# KiCad board 75he.kicad_pcb (continued)
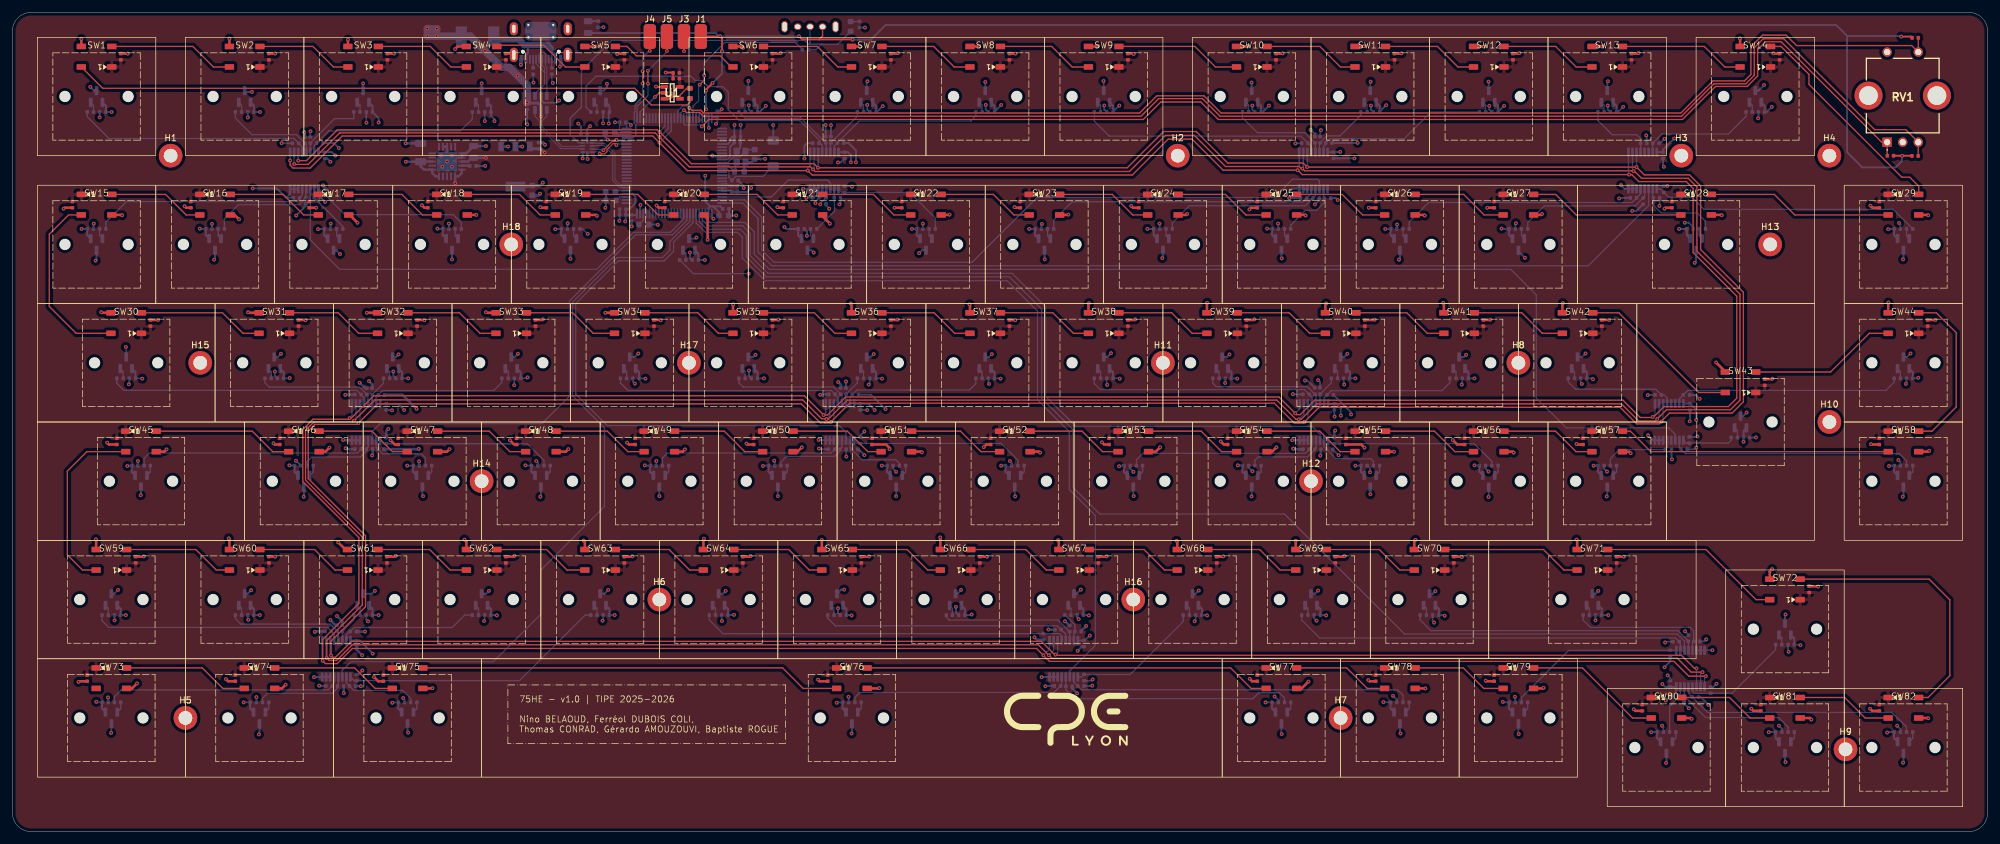
[diagram p0: board, top side]
## Placement (name value [footprint] x y rotation side) (continued)
K12  DRV5055A3xDBZxQ1  [SOT-23]  237.36 118.3 90 bottom
K13  DRV5055A3xDBZxQ1  [SOT-23]  256.41 118.3 90 bottom
K14  DRV5055A3xDBZxQ1  [SOT-23]  280.23 118.3 90 bottom
K15  DRV5055A3xDBZxQ1  [SOT-23]  13.53 94.49 270 bottom
K16  DRV5055A3xDBZxQ1  [SOT-23]  32.58 94.49 270 bottom
K17  DRV5055A3xDBZxQ1  [SOT-23]  51.62 94.49 270 bottom
K18  DRV5055A3xDBZxQ1  [SOT-23]  70.67 94.49 270 bottom
K19  DRV5055A3xDBZxQ1  [SOT-23]  89.72 94.49 270 bottom
K20  DRV5055A3xDBZxQ1  [SOT-23]  108.77 94.49 90 bottom
K21  DRV5055A3xDBZxQ1  [SOT-23]  127.83 94.49 270 bottom
K22  DRV5055A3xDBZxQ1  [SOT-23]  146.88 94.49 270 bottom
K23  DRV5055A3xDBZxQ1  [SOT-23]  165.93 94.49 270 bottom
K24  DRV5055A3xDBZxQ1  [SOT-23]  184.98 94.49 270 bottom
K25  DRV5055A3xDBZxQ1  [SOT-23]  204.03 94.49 270 bottom
K26  DRV5055A3xDBZxQ1  [SOT-23]  223.08 94.49 270 bottom
K27  DRV5055A3xDBZxQ1  [SOT-23]  242.12 94.49 270 bottom
K28  DRV5055A3xDBZxQ1  [SOT-23]  270.7 94.49 270 bottom
K29  DRV5055A3xDBZxQ1  [SOT-23]  304.04 94.49 270 bottom
K30  DRV5055A3xDBZxQ1  [SOT-23]  18.29 75.44 90 bottom
K31  DRV5055A3xDBZxQ1  [SOT-23]  42.1 75.44 90 bottom
K32  DRV5055A3xDBZxQ1  [SOT-23]  61.15 75.44 90 bottom
K33  DRV5055A3xDBZxQ1  [SOT-23]  80.2 75.44 90 bottom
K34  DRV5055A3xDBZxQ1  [SOT-23]  99.25 75.44 90 bottom
K35  DRV5055A3xDBZxQ1  [SOT-23]  118.3 75.44 90 bottom
K36  DRV5055A3xDBZxQ1  [SOT-23]  137.35 75.44 90 bottom
K37  DRV5055A3xDBZxQ1  [SOT-23]  156.4 75.44 90 bottom
K38  DRV5055A3xDBZxQ1  [SOT-23]  175.45 75.44 90 bottom
K39  DRV5055A3xDBZxQ1  [SOT-23]  194.5 75.44 90 bottom
K40  DRV5055A3xDBZxQ1  [SOT-23]  213.55 75.44 90 bottom
K41  DRV5055A3xDBZxQ1  [SOT-23]  232.6 75.44 90 bottom
K42  DRV5055A3xDBZxQ1  [SOT-23]  251.65 75.44 90 bottom
K43  DRV5055A3xDBZxQ1  [SOT-23]  277.84 65.91 90 bottom
K44  DRV5055A3xDBZxQ1  [SOT-23]  304.04 75.44 90 bottom
K45  DRV5055A3xDBZxQ1  [SOT-23]  20.67 56.39 270 bottom
K46  DRV5055A3xDBZxQ1  [SOT-23]  46.86 56.39 270 bottom
K47  DRV5055A3xDBZxQ1  [SOT-23]  65.91 56.39 270 bottom
K48  DRV5055A3xDBZxQ1  [SOT-23]  84.96 56.39 270 bottom
K49  DRV5055A3xDBZxQ1  [SOT-23]  104.01 56.39 270 bottom
K50  DRV5055A3xDBZxQ1  [SOT-23]  123.06 56.39 270 bottom
K51  DRV5055A3xDBZxQ1  [SOT-23]  142.11 56.39 270 bottom
K52  DRV5055A3xDBZxQ1  [SOT-23]  161.16 56.39 270 bottom
K53  DRV5055A3xDBZxQ1  [SOT-23]  180.21 56.39 270 bottom
K54  DRV5055A3xDBZxQ1  [SOT-23]  199.26 56.39 270 bottom
K55  DRV5055A3xDBZxQ1  [SOT-23]  218.31 56.39 270 bottom
K56  DRV5055A3xDBZxQ1  [SOT-23]  237.36 56.39 270 bottom
K57  DRV5055A3xDBZxQ1  [SOT-23]  256.41 56.39 270 bottom
K58  DRV5055A3xDBZxQ1  [SOT-23]  304.04 56.39 270 bottom
K59  DRV5055A3xDBZxQ1  [SOT-23]  15.91 37.34 90 bottom
K60  DRV5055A3xDBZxQ1  [SOT-23]  37.34 37.34 90 bottom
K61  DRV5055A3xDBZxQ1  [SOT-23]  56.39 37.34 90 bottom
K62  DRV5055A3xDBZxQ1  [SOT-23]  75.44 37.34 90 bottom
K63  DRV5055A3xDBZxQ1  [SOT-23]  94.49 37.34 90 bottom
K64  DRV5055A3xDBZxQ1  [SOT-23]  113.54 37.34 90 bottom
K65  DRV5055A3xDBZxQ1  [SOT-23]  132.59 37.34 90 bottom
K66  DRV5055A3xDBZxQ1  [SOT-23]  151.64 37.34 90 bottom
K67  DRV5055A3xDBZxQ1  [SOT-23]  170.69 37.34 90 bottom
K68  DRV5055A3xDBZxQ1  [SOT-23]  189.74 37.34 90 bottom
K69  DRV5055A3xDBZxQ1  [SOT-23]  208.79 37.34 90 bottom
K70  DRV5055A3xDBZxQ1  [SOT-23]  227.84 37.34 90 bottom
K71  DRV5055A3xDBZxQ1  [SOT-23]  254.03 37.34 90 bottom
K72  DRV5055A3xDBZxQ1  [SOT-23]  284.99 32.57 90 bottom
K73  DRV5055A3xDBZxQ1  [SOT-23]  15.91 18.29 270 bottom
K74  DRV5055A3xDBZxQ1  [SOT-23]  39.72 18.29 270 bottom
K75  DRV5055A3xDBZxQ1  [SOT-23]  63.53 18.29 270 bottom
K76  DRV5055A3xDBZxQ1  [SOT-23]  134.97 18.29 270 bottom
K77  DRV5055A3xDBZxQ1  [SOT-23]  204.03 18.29 270 bottom
K78  DRV5055A3xDBZxQ1  [SOT-23]  223.08 18.29 270 bottom
K79  DRV5055A3xDBZxQ1  [SOT-23]  242.12 18.29 270 bottom
K80  DRV5055A3xDBZxQ1  [SOT-23]  265.94 13.52 270 bottom
K81  DRV5055A3xDBZxQ1  [SOT-23]  284.99 13.52 270 bottom
K82  DRV5055A3xDBZxQ1  [SOT-23]  304.04 13.52 270 bottom
LED1  Red  [D_0603]  134.77 129.57 270 bottom
LED2  Green  [D_0805]  92.56 129.46 270 bottom
M1  SN74LV4051APWR  [SOP65P640X120-16N]  130.53 106.39 90 bottom
M2  SN74LV4051APWR  [SOP65P640X120-16N]  209.17 106.39 90 bottom
M3  SN74LV4051APWR  [SOP65P640X120-16N]  262.1 106.39 90 bottom
M4  SN74LV4051APWR  [SOP65P640X120-16N]  266.37 65.91 90 bottom
M5  SN74LV4051APWR  [SOP65P640X120-16N]  209.26 65.91 90 bottom
M6  SN74LV4051APWR  [SOP65P640X120-16N]  269.8 26.23 270 bottom
M7  SN74LV4051APWR  [SOP65P640X120-16N]  169.03 27.81 90 bottom
M8  SN74LV4051APWR  [SOP65P640X120-16N]  133.04 65.91 90 bottom
M9  SN74LV4051APWR  [SOP65P640X120-16N]  52.06 27.81 90 bottom
M10  SN74LV4051APWR  [SOP65P640X120-16N]  56.86 65.91 90 bottom
M11  SN74LV4051APWR  [SOP65P640X120-16N]  46.92 106.39 90 bottom
R1  10kΩ  [R_0402]  127.5 125.86 180 bottom
R2  1kΩ  [R_0402]  136.2 129.89 270 bottom
R3  10kΩ  [R_0402]  305.93 127.74 0 top
R4  3kΩ  [R_0603]  96.25 101.56 0 bottom
R5  10kΩ  [R_0402]  301.94 108.76 180 top
R6  10kΩ  [R_0402]  305.91 108.73 0 top
R7  5.1kΩ  [R_0402]  86.72 122.39 90 bottom
R8  5.1kΩ  [R_0402]  83.72 122.39 90 bottom
R9  680Ω  [R_0402]  12.53 115.8 180 bottom
R10  680Ω  [R_0402]  36.34 115.8 180 bottom
R11  680Ω  [R_0402]  55.39 115.8 180 bottom
R12  680Ω  [R_0402]  74.44 115.8 180 bottom
R13  680Ω  [R_0402]  93.49 115.8 180 bottom
R14  680Ω  [R_0402]  117.3 115.8 180 bottom
R15  680Ω  [R_0402]  136.35 115.8 180 bottom
R16  680Ω  [R_0402]  155.4 115.8 180 bottom
R17  680Ω  [R_0402]  174.45 115.8 180 bottom
R18  680Ω  [R_0402]  198.26 115.8 180 bottom
R19  680Ω  [R_0402]  217.31 115.8 180 bottom
R20  680Ω  [R_0402]  236.36 115.8 180 bottom
R21  680Ω  [R_0402]  255.41 115.8 180 bottom
R22  680Ω  [R_0402]  279.23 115.8 180 bottom
R23  680Ω  [R_0402]  14.53 96.99 0 bottom
R24  680Ω  [R_0402]  33.58 96.99 0 bottom
R25  680Ω  [R_0402]  52.62 96.99 0 bottom
R26  680Ω  [R_0402]  71.67 96.99 0 bottom
R27  680Ω  [R_0402]  90.72 96.99 0 bottom
R28  680Ω  [R_0402]  107.77 91.99 180 bottom
R29  680Ω  [R_0402]  128.83 96.99 0 bottom
R30  680Ω  [R_0402]  147.88 96.99 0 bottom
R31  680Ω  [R_0402]  166.93 96.99 0 bottom
R32  680Ω  [R_0402]  185.98 96.99 0 bottom
R33  680Ω  [R_0402]  205.03 96.99 0 bottom
R34  680Ω  [R_0402]  224.08 96.99 0 bottom
R35  680Ω  [R_0402]  243.12 96.99 0 bottom
R36  680Ω  [R_0402]  271.7 96.99 0 bottom
R37  680Ω  [R_0402]  305.04 96.99 0 bottom
R38  680Ω  [R_0402]  17.29 72.94 180 bottom
R39  680Ω  [R_0402]  41.1 72.94 180 bottom
R40  680Ω  [R_0402]  60.15 72.94 180 bottom
R41  680Ω  [R_0402]  79.2 72.94 180 bottom
R42  680Ω  [R_0402]  98.25 72.94 180 bottom
R43  680Ω  [R_0402]  117.3 72.94 180 bottom
R44  680Ω  [R_0402]  136.35 72.94 180 bottom
R45  680Ω  [R_0402]  155.4 72.94 180 bottom
R46  680Ω  [R_0402]  174.45 72.94 180 bottom
R47  680Ω  [R_0402]  193.5 72.94 180 bottom
R48  680Ω  [R_0402]  212.55 72.94 180 bottom
R49  680Ω  [R_0402]  231.6 72.94 180 bottom
R50  680Ω  [R_0402]  250.65 72.94 180 bottom
R51  680Ω  [R_0402]  276.84 63.41 180 bottom
R52  680Ω  [R_0402]  303.04 72.94 180 bottom
R53  680Ω  [R_0402]  21.67 58.89 180 bottom
R54  680Ω  [R_0402]  47.86 58.89 180 bottom
R55  680Ω  [R_0402]  66.91 58.89 180 bottom
R56  680Ω  [R_0402]  85.96 58.89 180 bottom
R57  680Ω  [R_0402]  105.01 58.89 180 bottom
R58  680Ω  [R_0402]  124.06 58.89 180 bottom
R59  680Ω  [R_0402]  143.11 58.89 180 bottom
R60  680Ω  [R_0402]  162.16 58.89 180 bottom
R61  680Ω  [R_0402]  181.21 58.89 180 bottom
R62  680Ω  [R_0402]  200.26 58.89 180 bottom
R63  680Ω  [R_0402]  219.31 58.89 180 bottom
R64  680Ω  [R_0402]  238.36 58.89 180 bottom
R65  680Ω  [R_0402]  257.41 58.89 180 bottom
R66  680Ω  [R_0402]  305.04 58.89 180 bottom
R67  680Ω  [R_0402]  14.91 34.84 180 bottom
R68  680Ω  [R_0402]  36.34 34.84 180 bottom
R69  680Ω  [R_0402]  55.39 34.84 180 bottom
R70  680Ω  [R_0402]  74.44 34.84 180 bottom
R71  680Ω  [R_0402]  93.49 34.84 180 bottom
R72  680Ω  [R_0402]  112.54 34.84 180 bottom
R73  680Ω  [R_0402]  131.59 34.84 180 bottom
R74  680Ω  [R_0402]  150.64 34.84 180 bottom
R75  680Ω  [R_0402]  169.69 34.84 180 bottom
R76  680Ω  [R_0402]  188.74 34.84 180 bottom
R77  680Ω  [R_0402]  207.79 34.84 180 bottom
R78  680Ω  [R_0402]  226.84 34.84 180 bottom
R79  680Ω  [R_0402]  253.03 34.84 180 bottom
R80  680Ω  [R_0402]  283.99 30.07 180 bottom
R81  680Ω  [R_0402]  16.91 20.79 180 bottom
R82  680Ω  [R_0402]  40.72 20.79 180 bottom
R83  680Ω  [R_0402]  64.53 20.79 180 bottom
R84  680Ω  [R_0402]  135.97 20.79 180 bottom
R85  680Ω  [R_0402]  205.03 20.79 180 bottom
R86  680Ω  [R_0402]  224.08 20.79 180 bottom
R87  680Ω  [R_0402]  243.12 20.79 180 bottom
R88  680Ω  [R_0402]  266.94 16.02 180 bottom
R89  680Ω  [R_0402]  285.99 16.02 180 bottom
R90  680Ω  [R_0402]  305.04 16.02 180 bottom
R91  1kΩ  [R_0402]  94.17 129.94 270 bottom
R92  330Ω  [R_0603]  108.92 118.79 270 top
RV1  -  [EC11E15244B2]  301.42 110.94 0 top
SW1  ESC  [Switch_1U]  13.53 118.3 0 top
SW2  F1  [Switch_1U]  37.34 118.3 0 top
SW3  F2  [Switch_1U]  56.39 118.3 0 top
SW4  F3  [Switch_1U]  75.44 118.3 0 top
SW5  F4  [Switch_1U]  94.49 118.3 0 top
SW6  F5  [Switch_1U]  118.3 118.3 0 top
SW7  F6  [Switch_1U]  137.35 118.3 0 top
SW8  F7  [Switch_1U]  156.4 118.3 0 top
SW9  F8  [Switch_1U]  175.45 118.3 0 top
SW10  F9  [Switch_1U]  199.26 118.3 0 top
SW11  F10  [Switch_1U]  218.31 118.3 0 top
SW12  F11  [Switch_1U]  237.36 118.3 0 top
SW13  F12  [Switch_1U]  256.41 118.3 0 top
SW14  DEL  [Switch_1U]  280.23 118.3 0 top
SW15  ²  [Switch_1U]  13.53 94.49 0 top
SW16  1  [Switch_1U]  32.58 94.49 0 top
SW17  2  [Switch_1U]  51.62 94.49 0 top
SW18  3  [Switch_1U]  70.67 94.49 0 top
SW19  4  [Switch_1U]  89.72 94.49 0 top
SW20  5  [Switch_1U]  108.77 94.49 0 top
SW21  6  [Switch_1U]  127.83 94.49 0 top
SW22  7  [Switch_1U]  146.88 94.49 0 top
SW23  8  [Switch_1U]  165.93 94.49 0 top
SW24  9  [Switch_1U]  184.98 94.49 0 top
SW25  0  [Switch_1U]  204.03 94.49 0 top
SW26  °  [Switch_1U]  223.08 94.49 0 top
SW27  +  [Switch_1U]  242.12 94.49 0 top
SW28  BACKSPACE  [Switch_2U]  270.7 94.49 0 top
SW29  PG-UP  [Switch_1U]  304.04 94.49 0 top
SW30  TAB  [Switch_1.5U]  18.29 75.44 0 top
SW31  A  [Switch_1U]  42.1 75.44 0 top
SW32  Z  [Switch_1U]  61.15 75.44 0 top
SW33  E  [Switch_1U]  80.2 75.44 0 top
SW34  R  [Switch_1U]  99.25 75.44 0 top
SW35  T  [Switch_1U]  118.3 75.44 0 top
SW36  Y  [Switch_1U]  137.35 75.44 0 top
SW37  U  [Switch_1U]  156.4 75.44 0 top
SW38  I  [Switch_1U]  175.45 75.44 0 top
SW39  O  [Switch_1U]  194.5 75.44 0 top
SW40  P  [Switch_1U]  213.55 75.44 0 top
SW41  ¨  [Switch_1U]  232.6 75.44 0 top
SW42  £  [Switch_1U]  251.65 75.44 0 top
SW43  ENTER  [Switch_ENTER_ISO]  277.84 65.91 0 top
SW44  PG-DOWN  [Switch_1U]  304.04 75.44 0 top
SW45  CAPS-LOCK  [Switch_1.75U]  20.67 56.39 0 top
SW46  Q  [Switch_1U]  46.86 56.39 0 top
SW47  S  [Switch_1U]  65.91 56.39 0 top
SW48  D  [Switch_1U]  84.96 56.39 0 top
SW49  F  [Switch_1U]  104.01 56.39 0 top
SW50  G  [Switch_1U]  123.06 56.39 0 top
SW51  H  [Switch_1U]  142.11 56.39 0 top
SW52  J  [Switch_1U]  161.16 56.39 0 top
SW53  K  [Switch_1U]  180.21 56.39 0 top
SW54  L  [Switch_1U]  199.26 56.39 0 top
SW55  M  [Switch_1U]  218.31 56.39 0 top
SW56  ù  [Switch_1U]  237.36 56.39 0 top
SW57  *  [Switch_1U]  256.41 56.39 0 top
SW58  HOME  [Switch_1U]  304.04 56.39 0 top
SW59  L-SHIFT  [Switch_1.25U]  15.91 37.34 0 top
SW60  >  [Switch_1U]  37.34 37.34 0 top
SW61  W  [Switch_1U]  56.39 37.34 0 top
SW62  X  [Switch_1U]  75.44 37.34 0 top
SW63  C  [Switch_1U]  94.49 37.34 0 top
SW64  V  [Switch_1U]  113.54 37.34 0 top
SW65  B  [Switch_1U]  132.59 37.34 0 top
SW66  N  [Switch_1U]  151.64 37.34 0 top
SW67  ?  [Switch_1U]  170.69 37.34 0 top
SW68  .  [Switch_1U]  189.74 37.34 0 top
SW69  /  [Switch_1U]  208.79 37.34 0 top
SW70  §  [Switch_1U]  227.84 37.34 0 top
SW71  R-SHIFT  [Switch_1.75U]  254.03 37.34 0 top
SW72  UP  [Switch_1U]  284.99 32.57 0 top
SW73  L-CTRL  [Switch_1.25U]  15.91 18.29 0 top
SW74  L-WIN  [Switch_1.25U]  39.72 18.29 0 top
SW75  ALT  [Switch_1.25U]  63.53 18.29 0 top
SW76  SPACE  [Switch_6.25U]  134.97 18.29 0 top
SW77  ALT-GR  [Switch_1U]  204.03 18.29 0 top
SW78  FN  [Switch_1U]  223.08 18.29 0 top
SW79  R-CTRL  [Switch_1U]  242.12 18.29 0 top
SW80  LEFT  [Switch_1U]  265.94 13.52 0 top
SW81  DOWN  [Switch_1U]  284.99 13.52 0 top
SW82  RIGHT  [Switch_1U]  304.04 13.52 0 top
SW_BOOT1  SK-12D02VG3  [SW-TH_SK-12D02VG3]  128.25 129.53 0 bottom
SW_RESET1  Tactile Button, 160gf  [SW_TS-1088-AR02016]  122.33 109.14 270 bottom
U1  SN74AHCT1G125DBVR  [SOT95P280X145-5N]  106.08 118.89 0 top
U2  STM32F723VET6  [LQFP-100_14x14mm_P0.5mm]  106.42 107.14 180 bottom
U3  TS3USB221ARSER  [RSE10]  92.42 110.09 180 bottom
U4  USBLC6-2SC6  [SOT-23-6]  84.96 117.26 270 bottom
U5  TPS7A4701RGWR  [RGW0020A-IPC_A]  69.88 107.83 0 bottom
U6  LDL1117S33R  [SOT223_STM]  80.88 107.03 0 bottom
X1  16MHz  [Crystal_SMD_2520-4Pin_2.5x2.0mm]  117.15 108.61 270 bottom

## Library data of the parts
C1 C11 C13 C200 C201 = -: Datasheet: https://www.lcsc.com/datasheet/lcsc_datasheet_2304140030_Samsung-Electro-Mechanics-CL05A105KA5NQNC_C52923.pdf; Description: 25V 1uF X5R ±10% 0402 Multilayer Ceramic Capacitors MLCC - SMD/SMT ROHS; LCSC: C52923; Stock: 7021828; Price: 0.006USD; Process: SMT; Minimum Qty: 20; Attrition Qty: 10; Class: Basic Component; Category: Capacitors,Multilayer Ceramic Capacitors MLCC - SMD/SMT; Manufacturer: Samsung Electro-Mechanics; Part: CL05A105KA5NQNC; Voltage Rated: 25V; Tolerance: ±10%; Temperature Coefficient: X5R; ki_fp_filters: C_*
C2 = -: Datasheet: https://www.lcsc.com/datasheet/lcsc_datasheet_2304140030_Samsung-Electro-Mechanics-CL05B103KB5NNNC_C15195.pdf; Description: 50V 10nF X7R ±10% 0402 Multilayer Ceramic Capacitors MLCC - SMD/SMT ROHS; LCSC: C15195; Stock: 4779042; Price: 0.005USD; Process: SMT; Minimum Qty: 20; Attrition Qty: 10; Class: Basic Component; Category: Capacitors,Multilayer Ceramic Capacitors MLCC - SMD/SMT; Manufacturer: Samsung Electro-Mechanics; Part: CL05B103KB5NNNC; Voltage Rated: 50V; Tolerance: ±10%; Temperature Coefficient: X7R; ki_fp_filters: C_*
C3 C199 = -: Datasheet: https://www.lcsc.com/datasheet/lcsc_datasheet_2304140030_Samsung-Electro-Mechanics-CL10A475KO8NNNC_C19666.pdf; Description: 16V 4.7uF X5R ±10% 0603 Multilayer Ceramic Capacitors MLCC - SMD/SMT ROHS; LCSC: C19666; Stock: 4246728; Price: 0.013USD; Process: SMT; Minimum Qty: 20; Attrition Qty: 10; Class: Basic Component; Category: Capacitors,Multilayer Ceramic Capacitors MLCC - SMD/SMT; Manufacturer: Samsung Electro-Mechanics; Part: CL10A475KO8NNNC; Voltage Rated: 16V; Tolerance: ±10%; Temperature Coefficient: X5R; ki_fp_filters: C_*
C4-C10 C12 C14 C18 C21-C29 C38-C45 C54-C61 C70-C77 C86-C93 C102-C109 C118-C125 C134-C141 C150-C157 C166 C167 C170-C177 C202-C293 C295 = -: Datasheet: https://www.lcsc.com/datasheet/lcsc_datasheet_2304140030_Samsung-Electro-Mechanics-CL05B104KO5NNNC_C1525.pdf; Description: 16V 100nF X7R ±10% 0402 Multilayer Ceramic Capacitors MLCC - SMD/SMT ROHS; LCSC: C1525; Stock: 20208285; Price: 0.004USD; Process: SMT; Minimum Qty: 20; Attrition Qty: 10; Class: Basic Component; Category: Capacitors,Multilayer Ceramic Capacitors MLCC - SMD/SMT; Manufacturer: Samsung Electro-Mechanics; Part: CL05B104KO5NNNC; Voltage Rated: 16V; Tolerance: ±10%; Temperature Coefficient: X7R; ki_fp_filters: C_*
C15 C19 C20 = -: Datasheet: https://www.lcsc.com/datasheet/lcsc_datasheet_2304140030_Samsung-Electro-Mechanics-CL10A225KO8NNNC_C23630.pdf; Description: 16V 2.2uF X5R ±10% 0603 Multilayer Ceramic Capacitors MLCC - SMD/SMT ROHS; LCSC: C23630; Stock: 2585089; Price: 0.009USD; Process: SMT; Minimum Qty: 20; Attrition Qty: 10; Class: Basic Component; Category: Capacitors,Multilayer Ceramic Capacitors MLCC - SMD/SMT; Manufacturer: Samsung Electro-Mechanics; Part: CL10A225KO8NNNC; Voltage Rated: 16V; Tolerance: ±10%; Temperature Coefficient: X5R; ki_fp_filters: C_*
C16 C17 = -: Datasheet: https://www.lcsc.com/datasheet/lcsc_datasheet_2304140030_FH--Guangdong-Fenghua-Advanced-Tech-0603CG6R0C500NT_C37474.pdf; Description: 50V 6pF C0G 0603 Multilayer Ceramic Capacitors MLCC - SMD/SMT ROHS; LCSC: C37474; Stock: 137009; Price: 0.006USD; Process: SMT; Minimum Qty: 20; Attrition Qty: 10; Class: Preferred Component; Category: Capacitors,Multilayer Ceramic Capacitors MLCC - SMD/SMT; Manufacturer: FH(Guangdong Fenghua Advanced Tech); Part: 0603CG6R0C500NT; Voltage Rated: 50V; Temperature Coefficient: C0G; ki_fp_filters: C_*
C30-C37 C46-C53 C62-C69 C78-C85 C94-C101 C110-C117 C126-C133 C142-C149 C158-C165 C168 C169 C178-C185 = -: Datasheet: https://www.lcsc.com/datasheet/lcsc_datasheet_2304140030_FH--Guangdong-Fenghua-Advanced-Tech-0402B223K500NT_C1532.pdf; Description: 50V 22nF X7R ±10% 0402 Multilayer Ceramic Capacitors MLCC - SMD/SMT ROHS; LCSC: C1532; Stock: 567776; Price: 0.004USD; Process: SMT; Minimum Qty: 20; Attrition Qty: 10; Class: Basic Component; Category: Capacitors,Multilayer Ceramic Capacitors MLCC - SMD/SMT; Manufacturer: FH(Guangdong Fenghua Advanced Tech); Part: 0402B223K500NT; Voltage Rated: 50V; Tolerance: ±10%; Temperature Coefficient: X7R; ki_fp_filters: C_*
C197 = -: Datasheet: https://www.lcsc.com/datasheet/lcsc_datasheet_2304140030_Samsung-Electro-Mechanics-CL31A476MPHNNNE_C96123.pdf; Description: 10V 47uF X5R ±20% 1206 Multilayer Ceramic Capacitors MLCC - SMD/SMT ROHS; LCSC: C96123; Stock: 413890; Price: 0.069USD; Process: SMT; Minimum Qty: 5; Attrition Qty: 4; Class: Basic Component; Category: Capacitors,Multilayer Ceramic Capacitors MLCC - SMD/SMT; Manufacturer: Samsung Electro-Mechanics; Part: CL31A476MPHNNNE; Voltage Rated: 10V; Tolerance: ±20%; Temperature Coefficient: X5R; ki_fp_filters: C_*
C198 = -: Datasheet: https://www.lcsc.com/datasheet/lcsc_datasheet_2304140030_Samsung-Electro-Mechanics-CL21A106KAYNNNE_C15850.pdf; Description: 25V 10uF X5R ±10% 0805 Multilayer Ceramic Capacitors MLCC - SMD/SMT ROHS; LCSC: C15850; Stock: 6525809; Price: 0.014USD; Process: SMT; Minimum Qty: 20; Attrition Qty: 10; Class: Basic Component; Category: Capacitors,Multilayer Ceramic Capacitors MLCC - SMD/SMT; Manufacturer: Samsung Electro-Mechanics; Part: CL21A106KAYNNNE; Voltage Rated: 25V; Tolerance: ±10%; Temperature Coefficient: X5R; ki_fp_filters: C_*
D1-D82 = -: Datasheet: https://wmsc.lcsc.com/wmsc/upload/file/pdf/v2/lcsc/2406131538_XINGLIGHT-XL-5050RGBC-WS2812B-S_C22461793.pdf; Description: RGB LED with integrated controller; LCSC: C22461793; ki_fp_filters: LED*WS2812*PLCC*5.0x5.0mm*P3.2mm*
F1 = -: Datasheet: https://www.littelfuse.com/assetdocs/resettable-ptcs-low-rho-smd-ptc-datasheet?assetguid=b786faf0-de16-4763-9d22-6b8080943caf; Description: Low Rho Surface Mount Resettable PTC Fuse; Height: 0.7; Mouser Part Number: 576-1812L300/24SLER; Mouser Price/Stock: https://www.mouser.co.uk/ProductDetail/Littelfuse/1812L300-24SLER?qs=7MVldsJ5UaxHXD%252BUZrdyuw%3D%3D; Manufacturer_Name: LITTELFUSE; Manufacturer_Part_Number: 1812L300/24SLER; LCSC: C1512049
H1-H18 = -: Description: Mounting Hole with connection; KiLib_Generator: mounting_hardware/mounting_hole; ki_fp_filters: MountingHole*Pad*
J1 J3-J5 = -: Description: Generic connector, single row, 01x01, script generated; ki_fp_filters: Connector*:*_1x??_*
J2 = -: Datasheet: https://atta.szlcsc.com/upload/public/pdf/source/20220920/0EF8F885FCCEA71F60E9E85152155021.pdf; Description: 3A 1 Horizontal attachment 16P Female -25℃~+85℃ Type-C SMD USB Connectors ROHS; LCSC: C2927039
K1-K82 = -: Datasheet: https://www.ti.com/lit/ds/symlink/drv5055-q1.pdf; Description: 25 mV/mT,±85-mT, 20-kHz, 3.3/5V, SOT-23; KiLib_Generator: package/gullwing; LCSC: C266128; ki_fp_filters: SOT?23*
LED1 = -: Datasheet: https://www.lcsc.com/datasheet/lcsc_datasheet_1810231112_Hubei-KENTO-Elec-KT-0603R_C2286.pdf; Description: -40°C~+85°C Red 0603 LED Indication - Discrete ROHS; LCSC: C2286; Stock: 5373336; Price: 0.009USD; Process: SMT; Minimum Qty: 20; Attrition Qty: 10; Class: Basic Component; Category: Optocouplers & LEDs & Infrared,Light Emitting Diodes (LED); Manufacturer: Hubei KENTO Elec; Part: KT-0603R; ki_fp_filters: D_*
LED2 = -: Datasheet: https://www.lcsc.com/datasheet/lcsc_datasheet_1806151820_Hubei-KENTO-Elec-KT-0805G_C2297.pdf; Description: Emerald 0805 LED Indication - Discrete ROHS; LCSC: C2297; Stock: 2062782; Price: 0.014USD; Process: SMT; Minimum Qty: 20; Attrition Qty: 10; Class: Basic Component; Category: Optoelectronics,Light Emitting Diodes (LED); Manufacturer: Hubei KENTO Elec; Part: KT-0805G; Emitted Color: Emerald; ki_fp_filters: D_*
M1-M11 = -: Datasheet: http://www.ti.com/lit/gpn/sn74lv4051a; Description: 8-Channel Analog Multiplexer/Demultiplexer; Height: 1.2; Mouser Part Number: 595-SN74LV4051APWR; Mouser Price/Stock: https://www.mouser.co.uk/ProductDetail/Texas-Instruments/SN74LV4051APWR?qs=j%2FZo4ajzVJI89x2tgWsgsA%3D%3D; Manufacturer_Name: Texas Instruments; LCSC: C7793
R1 R3 R5 R6 = -: Datasheet: https://www.lcsc.com/datasheet/lcsc_datasheet_2411221126_UNI-ROYAL-Uniroyal-Elec-0402WGF1002TCE_C25744.pdf; Description: 62.5mW Thick Film Resistors 50V ±100ppm/°C ±1% 10kΩ 0402 Chip Resistor - Surface Mount ROHS; Field4: 0402WGF1002TCE; LCSC: C25744; Stock: 24372091; Price: 0.004USD; Process: SMT; Minimum Qty: 20; Attrition Qty: 10; Class: Basic Component; Category: Resistors,Chip Resistor - Surface Mount; Manufacturer: UNI-ROYAL(Uniroyal Elec); Power(Watts): 62.5mW; Type: Thick Film Resistors; Overload Voltage (Max): 50V; Operating Temperature Range: -55°C~+155°C; Tolerance: ±1%; Temperature Coefficient: ±100ppm/°C; ki_fp_filters: R_*
R2 R91 = -: Datasheet: https://www.lcsc.com/datasheet/lcsc_datasheet_2206010216_UNI-ROYAL-Uniroyal-Elec-0402WGF1001TCE_C11702.pdf; Description: 62.5mW Thick Film Resistors 50V ±100ppm/°C ±1% 1kΩ 0402 Chip Resistor - Surface Mount ROHS; Field4: 0402WGF1001TCE; LCSC: C11702; Stock: 13226393; Price: 0.004USD; Process: SMT; Minimum Qty: 20; Attrition Qty: 10; Class: Basic Component; Category: Resistors,Chip Resistor - Surface Mount; Manufacturer: UNI-ROYAL(Uniroyal Elec); Power(Watts): 62.5mW; Type: Thick Film Resistors; Overload Voltage (Max): 50V; Operating Temperature Range: -55°C~+155°C; Tolerance: ±1%; Temperature Coefficient: ±100ppm/°C; ki_fp_filters: R_*
R4 = -: Datasheet: https://www.lcsc.com/datasheet/lcsc_datasheet_2206010230_UNI-ROYAL-Uniroyal-Elec-0603WAF3001T5E_C4211.pdf; Description: 100mW Thick Film Resistors 75V ±100ppm/°C ±1% 3kΩ 0603 Chip Resistor - Surface Mount ROHS; LCSC: C4211; Stock: 5406016; Price: 0.004USD; Process: SMT; Minimum Qty: 20; Attrition Qty: 10; Class: Basic Component; Category: Resistors,Chip Resistor - Surface Mount; Manufacturer: UNI-ROYAL(Uniroyal Elec); Part: 0603WAF3001T5E; Power(Watts): 100mW; Type: Thick Film Resistors; Overload Voltage (Max): 75V; Operating Temperature Range: -55°C~+155°C; Tolerance: ±1%; Temperature Coefficient: ±100ppm/°C; ki_fp_filters: R_*
R7 R8 = -: Datasheet: https://www.lcsc.com/datasheet/lcsc_datasheet_2206010045_UNI-ROYAL-Uniroyal-Elec-0402WGF5101TCE_C25905.pdf; Description: 62.5mW Thick Film Resistors 50V ±100ppm/°C ±1% 5.1kΩ 0402 Chip Resistor - Surface Mount ROHS; Field4: 0402WGF5101TCE; LCSC: C25905; Stock: 3534773; Price: 0.004USD; Process: SMT; Minimum Qty: 20; Attrition Qty: 10; Class: Basic Component; Category: Resistors,Chip Resistor - Surface Mount; Manufacturer: UNI-ROYAL(Uniroyal Elec); Power(Watts): 62.5mW; Type: Thick Film Resistors; Overload Voltage (Max): 50V; Operating Temperature Range: -55°C~+155°C; Tolerance: ±1%; Temperature Coefficient: ±100ppm/°C; ki_fp_filters: R_*
R9-R90 = -: Datasheet: https://www.lcsc.com/datasheet/lcsc_datasheet_2205311900_UNI-ROYAL-Uniroyal-Elec-0402WGF6800TCE_C25130.pdf; Description: 62.5mW Thick Film Resistors 50V ±100ppm/°C ±1% 680Ω 0402 Chip Resistor - Surface Mount ROHS; Field4: 0402WGF6800TCE; LCSC: C25130; Stock: 315941; Price: 0.004USD; Process: SMT; Minimum Qty: 20; Attrition Qty: 10; Class: Basic Component; Category: Resistors,Chip Resistor - Surface Mount; Manufacturer: UNI-ROYAL(Uniroyal Elec); Power(Watts): 62.5mW; Type: Thick Film Resistors; Overload Voltage (Max): 50V; Operating Temperature Range: -55°C~+155°C; Tolerance: ±1%; Temperature Coefficient: ±100ppm/°C; ki_fp_filters: R_*
R92 = -: Datasheet: https://www.lcsc.com/datasheet/lcsc_datasheet_2206010116_UNI-ROYAL-Uniroyal-Elec-0603WAF3300T5E_C23138.pdf; Description: 100mW Thick Film Resistors 75V ±100ppm/°C ±1% 330Ω 0603 Chip Resistor - Surface Mount ROHS; LCSC: C23138; Stock: 2977706; Price: 0.004USD; Process: SMT; Minimum Qty: 20; Attrition Qty: 10; Class: Basic Component; Category: Resistors,Chip Resistor - Surface Mount; Manufacturer: UNI-ROYAL(Uniroyal Elec); Part: 0603WAF3300T5E; Power(Watts): 100mW; Type: Thick Film Resistors; Overload Voltage (Max): 75V; Operating Temperature Range: -55°C~+155°C; Tolerance: ±1%; Temperature Coefficient: ±100ppm/°C; ki_fp_filters: R_*
RV1 = -: Datasheet: https://tech.alpsalpine.com/e/products/detail/EC11E15244B2/; Description: Rotary Encoder Mechanical 15 Quadrature (Incremental) Vertical; Height: 24.5; Mouser Part Number: 688-EC11E15244B2; Mouser Price/Stock: https://www.mouser.co.uk/ProductDetail/Alps-Alpine/EC11E15244B2?qs=m0BA540hBPfDpUEkDmFV5A%3D%3D; Manufacturer_Name: ALPS Electric; LCSC: C470754
SW_BOOT1 = -: Datasheet: https://lcsc.com/product-detail/Toggle-Switches_SK-12D02-X-3mm_C131374.html; LCSC Part: C131374; LCSC: C131374
SW_RESET1 = -: Datasheet: https://www.lcsc.com/datasheet/lcsc_datasheet_2304140030_XUNPU-TS-1088-AR02016_C720477.pdf; Description: Without 50mA 4mm 100MΩ 100000 Times 12V 160gf 3mm 2mm Round Button Standing paste SPST SMD Tactile Switches ROHS; LCSC: C720477; Stock: 346801; Price: 0.044USD; Process: SMT; Minimum Qty: 5; Attrition Qty: 4; Class: Basic Component; Category: Switches,Tactile Switches; Manufacturer: XUNPU; Part: TS-1088-AR02016; Switch Length: 4mm; Voltage Rating (Dc): 12V; With Lamp: No; Operating Force: 160gf@±50gf; Actuator/Cap Color: Black; Mechanical Life: 100000 Times; Strike Gundam: NO; Circuit: SPST; Switch Height: 2mm; Actuator Style: Round Button; Switch Width: 3mm; Contact Current: 50mA; Operating Temperature: -30°C~+80°C; Mounting Style: Brick nogging; Insulation Resistance: 100MΩ; Pin Style: SMDSplicing
U1 = -: Datasheet: http://www.ti.com/lit/ds/symlink/sn74ahct1g125.pdf; Description: 74AHCT Single Tri-state Bus Buffer SOT23 SN74AHCT1G125DBVR, Bus Buffer, HCT, 8.5 ns@ 50 pF, 8mA 4.5 ??? 5.5 V 5-Pin SOT-23; Height: 1.45; Manufacturer_Name: Texas Instruments; Mouser Part Number: 595-SNAHCT1G125DBVR; Mouser Price/Stock: https://www.mouser.co.uk/ProductDetail/Texas-Instruments/SN74AHCT1G125DBVR?qs=N6WZOzgtpqVaVW8Lh%252BgevA%3D%3D; Arrow Price/Stock: https://www.arrow.com/en/products/sn74ahct1g125dbvr/texas-instruments?utm_currency=USD&region=nac; LCSC: C7484
U2 = -: Datasheet: https://www.st.com/resource/en/datasheet/stm32f723ve.pdf; Description: STMicroelectronics Arm Cortex-M7 MCU, 512KB flash, 256KB RAM, 216 MHz, 1.7-3.6V, 79 GPIO, LQFP100; KiLib_Generator: package/gullwing; LCSC: C5270022; ki_fp_filters: LQFP*14x14mm*P0.5mm*
U3 = -: Datasheet: https://www.ti.com/lit/gpn/ts3usb221a; LCSC: C128396; ki_fp_filters: RSE10
U4 = -: Datasheet: https://www.st.com/resource/en/datasheet/usblc6-2.pdf; Description: Very low capacitance ESD protection diode, 2 data-line, SOT-23-6; KiLib_Generator: package/gullwing; LCSC: C7519; ki_fp_filters: SOT?23*
U5 = -: Datasheet: https://www.ti.com/lit/gpn/tps7a47; Description: Positive Adjustable 1.4V~34V VQFN-20-EP(5x5) Voltage Regulators - Linear, Low Drop Out (LDO) Regulators RoHS; LCSC: C90084; ki_fp_filters: RGW0020A-IPC_A RGW0020A-IPC_B RGW0020A-IPC_C RGW0020A-MFG
U6 = -: Datasheet: https://www.st.com/resource/en/datasheet/ldl1117.pdf; LCSC: C435835; ki_fp_filters: SOT223_STM SOT223_STM-M SOT223_STM-L
X1 = -: Datasheet: https://www.lcsc.com/datasheet/C280836.pdf; Description: Four pin crystal, GND on pins 2 and 4; KiLib_Generator: crystal_resonator_oscillator; LCSC: C280836; ki_fp_filters: Crystal*

## Footprints (pads in the part's own frame, mm; a bottom-side part is the same pattern mirrored in y, then rotated)
1812L190SLPR
  rect 1.78x3.15 smd: 1(-2.615,0) 2(2.615,0)
C_0402
  rrect 0.56x0.62 smd: 1(-0.5,0) 2(0.5,0)
C_0603
  rrect 0.9x0.95 smd: 1(-0.78,0) 2(0.78,0)
C_0805
  rrect 1x1.45 smd: 1(-0.95,0) 2(0.95,0)
C_1206
  rrect 1.15x1.8 smd: 1(-1.48,0) 2(1.48,0)
Crystal_SMD_2520-4Pin_2.5x2.0mm
  rrect 1.15x1 smd: 1(-0.875,-0.7) 2(0.875,-0.7) 3(0.875,0.7) 4(-0.875,0.7)
D_0603
  rrect 0.88x0.95 smd: 1(-0.79,0) 2(0.79,0)
